# KiCad board mtt_final.kicad_pcb (continued)
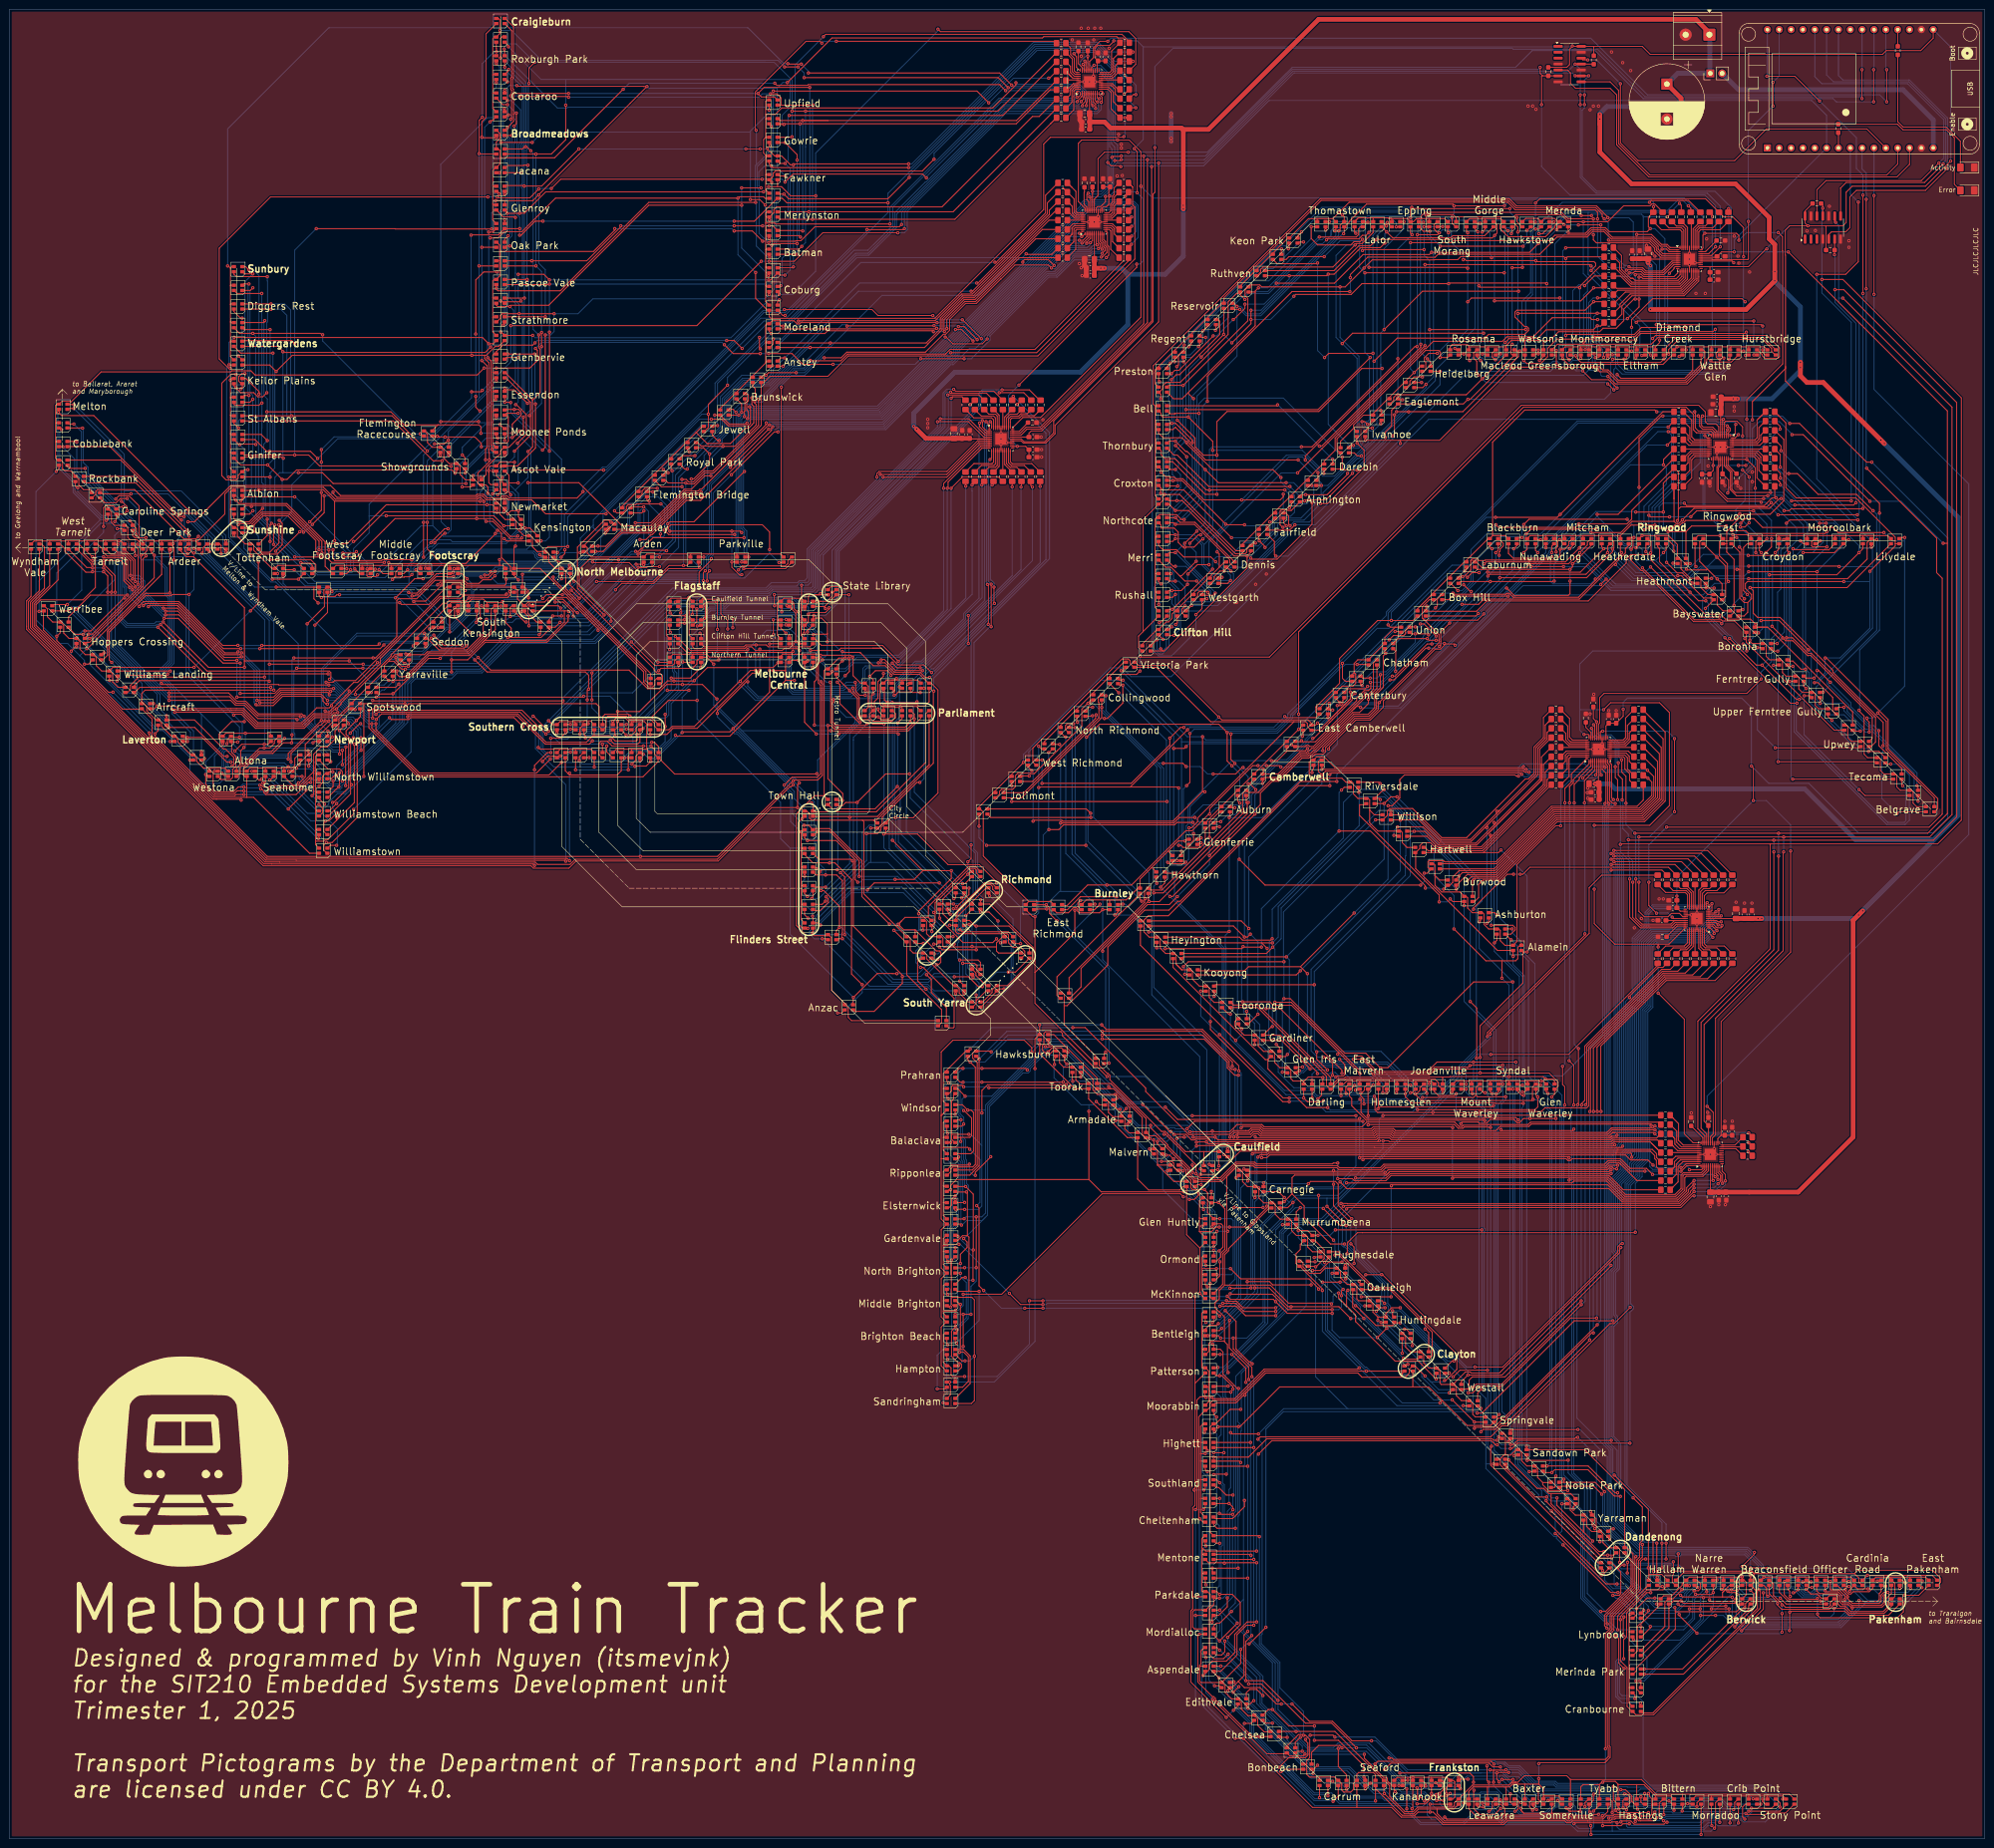
[diagram p0: board, top side]
## Placement (name value [footprint] x y rotation side) (continued)
D220  NH-B2020RGBA-HF  [LED_RGB_Foshan-2020]  321.3 346.35 0 top
D221  NH-B2020RGBA-HF  [LED_RGB_Foshan-2020]  317.3 346.35 0 top
D222  NH-B2020RGBA-HF  [LED_RGB_Foshan-2020]  313.3 346.35 0 top
D223  NH-B2020RGBA-HF  [LED_RGB_Foshan-2020]  309.3 346.35 0 top
D224  NH-B2020RGBA-HF  [LED_RGB_Foshan-2020]  305.3 346.35 0 top
D225  NH-B2020RGBA-HF  [LED_RGB_Foshan-2020]  301.3 346.35 0 top
D226  NH-B2020RGBA-HF  [LED_RGB_Foshan-2020]  297.3 346.35 0 top
D227  NH-B2020RGBA-HF  [LED_RGB_Foshan-2020]  293.3 346.35 0 top
D228  NH-B2020RGBA-HF  [LED_RGB_Foshan-2020]  289.3 346.35 0 top
D229  NH-B2020RGBA-HF  [LED_RGB_Foshan-2020]  285.3 346.35 0 top
D230  NH-B2020RGBA-HF  [LED_RGB_Foshan-2020]  281.3 346.35 0 top
D231  NH-B2020RGBA-HF  [LED_RGB_Foshan-2020]  275.3 342.85 0 top
D232  NH-B2020RGBA-HF  [LED_RGB_Foshan-2020]  271.8 339.35 0 top
D233  NH-B2020RGBA-HF  [LED_RGB_Foshan-2020]  268.3 335.85 0 top
D234  NH-B2020RGBA-HF  [LED_RGB_Foshan-2020]  264.8 332.35 0 top
D235  NH-B2020RGBA-HF  [LED_RGB_Foshan-2020]  261.3 328.85 0 top
D236  NH-B2020RGBA-HF  [LED_RGB_Foshan-2020]  257.8 325.35 0 top
D237  NH-B2020RGBA-HF  [LED_RGB_Foshan-2020]  254.3 321.85 0 top
D238  NH-B2020RGBA-HF  [LED_RGB_Foshan-2020]  250.8 318.35 0 top
D239  NH-B2020RGBA-HF  [LED_RGB_Foshan-2020]  247.3 314.85 0 top
D240  NH-B2020RGBA-HF  [LED_RGB_Foshan-2020]  247.3 310.85 0 top
D241  NH-B2020RGBA-HF  [LED_RGB_Foshan-2020]  247.3 306.85 0 top
D242  NH-B2020RGBA-HF  [LED_RGB_Foshan-2020]  247.3 302.85 0 top
D243  NH-B2020RGBA-HF  [LED_RGB_Foshan-2020]  247.3 298.85 0 top
D244  NH-B2020RGBA-HF  [LED_RGB_Foshan-2020]  247.3 294.85 0 top
D245  NH-B2020RGBA-HF  [LED_RGB_Foshan-2020]  247.3 290.85 0 top
D246  NH-B2020RGBA-HF  [LED_RGB_Foshan-2020]  247.3 286.85 0 top
D247  NH-B2020RGBA-HF  [LED_RGB_Foshan-2020]  247.3 282.85 0 top
D248  NH-B2020RGBA-HF  [LED_RGB_Foshan-2020]  247.3 278.85 0 top
D249  NH-B2020RGBA-HF  [LED_RGB_Foshan-2020]  247.3 274.85 0 top
D250  NH-B2020RGBA-HF  [LED_RGB_Foshan-2020]  247.3 270.85 0 top
D251  NH-B2020RGBA-HF  [LED_RGB_Foshan-2020]  247.3 266.85 0 top
D252  NH-B2020RGBA-HF  [LED_RGB_Foshan-2020]  247.3 262.85 0 top
D253  NH-B2020RGBA-HF  [LED_RGB_Foshan-2020]  377.8 318.85 0 top
D254  NH-B2020RGBA-HF  [LED_RGB_Foshan-2020]  373.8 318.85 0 top
D255  NH-B2020RGBA-HF  [LED_RGB_Foshan-2020]  369.8 318.85 0 top
D256  NH-B2020RGBA-HF  [LED_RGB_Foshan-2020]  365.8 318.85 0 top
D257  NH-B2020RGBA-HF  [LED_RGB_Foshan-2020]  361.8 318.85 0 top
D258  NH-B2020RGBA-HF  [LED_RGB_Foshan-2020]  357.8 318.85 0 top
D259  NH-B2020RGBA-HF  [LED_RGB_Foshan-2020]  353.8 318.85 0 top
D260  NH-B2020RGBA-HF  [LED_RGB_Foshan-2020]  349.8 318.85 0 top
D261  NH-B2020RGBA-HF  [LED_RGB_Foshan-2020]  345.8 318.85 0 top
D262  NH-B2020RGBA-HF  [LED_RGB_Foshan-2020]  341.8 318.85 0 top
D263  NH-B2020RGBA-HF  [LED_RGB_Foshan-2020]  337.8 318.85 0 top
D264  NH-B2020RGBA-HF  [LED_RGB_Foshan-2020]  333.8 318.85 0 top
D265  NH-B2020RGBA-HF  [LED_RGB_Foshan-2020]  329.8 318.85 0 top
D266  NH-B2020RGBA-HF  [LED_RGB_Foshan-2020]  325.8 318.85 0 top
D267  NH-B2020RGBA-HF  [LED_RGB_Foshan-2020]  321.8 318.85 0 top
D268  NH-B2020RGBA-HF  [LED_RGB_Foshan-2020]  317.8 318.85 0 top
D269  NH-B2020RGBA-HF  [LED_RGB_Foshan-2020]  313.8 318.85 0 top
D270  NH-B2020RGBA-HF  [LED_RGB_Foshan-2020]  309.8 318.85 0 top
D271  NH-B2020RGBA-HF  [LED_RGB_Foshan-2020]  303.8 315.35 0 top
D272  NH-B2020RGBA-HF  [LED_RGB_Foshan-2020]  300.3 311.85 0 top
D273  NH-B2020RGBA-HF  [LED_RGB_Foshan-2020]  296.8 308.35 0 top
D274  NH-B2020RGBA-HF  [LED_RGB_Foshan-2020]  293.3 304.85 0 top
D275  NH-B2020RGBA-HF  [LED_RGB_Foshan-2020]  289.8 301.35 0 top
D276  NH-B2020RGBA-HF  [LED_RGB_Foshan-2020]  286.3 297.85 0 top
D277  NH-B2020RGBA-HF  [LED_RGB_Foshan-2020]  282.8 294.35 0 top
D278  NH-B2020RGBA-HF  [LED_RGB_Foshan-2020]  279.3 290.85 0 top
D279  NH-B2020RGBA-HF  [LED_RGB_Foshan-2020]  275.8 287.35 0 top
D280  NH-B2020RGBA-HF  [LED_RGB_Foshan-2020]  272.3 283.85 0 top
D281  NH-B2020RGBA-HF  [LED_RGB_Foshan-2020]  268.8 280.35 0 top
D282  NH-B2020RGBA-HF  [LED_RGB_Foshan-2020]  265.3 276.85 0 top
D283  NH-B2020RGBA-HF  [LED_RGB_Foshan-2020]  261.8 273.35 0 top
D284  NH-B2020RGBA-HF  [LED_RGB_Foshan-2020]  258.3 269.85 0 top
D285  NH-B2020RGBA-HF  [LED_RGB_Foshan-2020]  254.8 266.35 0 top
D286  NH-B2020RGBA-HF  [LED_RGB_Foshan-2020]  251.3 262.85 0 top
D287  NH-B2020RGBA-HF  [LED_RGB_Foshan-2020]  247.3 258.85 0 top
D288  NH-B2020RGBA-HF  [LED_RGB_Foshan-2020]  243.8 255.35 0 top
D289  NH-B2020RGBA-HF  [LED_RGB_Foshan-2020]  240.3 251.85 0 top
D290  NH-B2020RGBA-HF  [LED_RGB_Foshan-2020]  236.8 248.35 0 top
D291  NH-B2020RGBA-HF  [LED_RGB_Foshan-2020]  233.3 244.85 0 top
D292  NH-B2020RGBA-HF  [LED_RGB_Foshan-2020]  229.8 241.35 0 top
D293  NH-B2020RGBA-HF  [LED_RGB_Foshan-2020]  226.3 237.85 0 top
D294  NH-B2020RGBA-HF  [LED_RGB_Foshan-2020]  222.8 234.35 0 top
D295  NH-B2020RGBA-HF  [LED_RGB_Foshan-2020]  219.3 230.85 0 top
D296  NH-B2020RGBA-HF  [LED_RGB_Foshan-2020]  215.8 227.35 0 top
D297  NH-B2020RGBA-HF  [LED_RGB_Foshan-2020]  212.3 223.85 0 top
D298  NH-B2020RGBA-HF  [LED_RGB_Foshan-2020]  208.8 220.35 0 top
D299  NH-B2020RGBA-HF  [LED_RGB_Foshan-2020]  224.8 199.85 0 top
D300  NH-B2020RGBA-HF  [LED_RGB_Foshan-2020]  218.8 199.85 0 top
D301  NH-B2020RGBA-HF  [LED_RGB_Foshan-2020]  411.8 220.85 0 top
D302  NH-B2020RGBA-HF  [LED_RGB_Foshan-2020]  408.3 224.35 0 top
D303  NH-B2020RGBA-HF  [LED_RGB_Foshan-2020]  404.8 227.85 0 top
D304  NH-B2020RGBA-HF  [LED_RGB_Foshan-2020]  401.3 231.35 0 top
D305  NH-B2020RGBA-HF  [LED_RGB_Foshan-2020]  397.8 234.85 0 top
D306  NH-B2020RGBA-HF  [LED_RGB_Foshan-2020]  394.3 238.35 0 top
D307  NH-B2020RGBA-HF  [LED_RGB_Foshan-2020]  390.8 241.85 0 top
D308  NH-B2020RGBA-HF  [LED_RGB_Foshan-2020]  387.3 245.35 0 top
D309  NH-B2020RGBA-HF  [LED_RGB_Foshan-2020]  383.8 248.85 0 top
D310  NH-B2020RGBA-HF  [LED_RGB_Foshan-2020]  380.3 252.35 0 top
D311  NH-B2020RGBA-HF  [LED_RGB_Foshan-2020]  376.8 255.85 0 top
D312  NH-B2020RGBA-HF  [LED_RGB_Foshan-2020]  373.3 259.35 0 top
D313  NH-B2020RGBA-HF  [LED_RGB_Foshan-2020]  369.8 262.85 0 top
D314  NH-B2020RGBA-HF  [LED_RGB_Foshan-2020]  366.3 266.35 0 top
D315  NH-B2020RGBA-HF  [LED_RGB_Foshan-2020]  362.8 269.85 0 top
D316  NH-B2020RGBA-HF  [LED_RGB_Foshan-2020]  358.55 274.1 0 top
D317  NH-B2020RGBA-HF  [LED_RGB_Foshan-2020]  354.3 278.35 0 top
D318  NH-B2020RGBA-HF  [LED_RGB_Foshan-2020]  350.3 278.35 0 top
D319  NH-B2020RGBA-HF  [LED_RGB_Foshan-2020]  346.3 278.35 0 top
D320  NH-B2020RGBA-HF  [LED_RGB_Foshan-2020]  342.3 278.35 0 top
D321  NH-B2020RGBA-HF  [LED_RGB_Foshan-2020]  338.3 278.35 0 top
D322  NH-B2020RGBA-HF  [LED_RGB_Foshan-2020]  334.3 278.35 0 top
D323  NH-B2020RGBA-HF  [LED_RGB_Foshan-2020]  330.3 278.35 0 top
D324  NH-B2020RGBA-HF  [LED_RGB_Foshan-2020]  326.3 278.35 0 top
D325  NH-B2020RGBA-HF  [LED_RGB_Foshan-2020]  322.3 278.35 0 top
D326  NH-B2020RGBA-HF  [LED_RGB_Foshan-2020]  318.3 278.35 0 top
D327  NH-B2020RGBA-HF  [LED_RGB_Foshan-2020]  313.3 273.35 0 top
D328  NH-B2020RGBA-HF  [LED_RGB_Foshan-2020]  309.8 269.85 0 top
D329  NH-B2020RGBA-HF  [LED_RGB_Foshan-2020]  306.3 266.35 0 top
D330  NH-B2020RGBA-HF  [LED_RGB_Foshan-2020]  302.8 262.85 0 top
D331  NH-B2020RGBA-HF  [LED_RGB_Foshan-2020]  299.3 259.35 0 top
D332  NH-B2020RGBA-HF  [LED_RGB_Foshan-2020]  295.8 255.85 0 top
D333  NH-B2020RGBA-HF  [LED_RGB_Foshan-2020]  292.3 252.35 0 top
D334  NH-B2020RGBA-HF  [LED_RGB_Foshan-2020]  288.8 248.85 0 top
D335  NH-B2020RGBA-HF  [LED_RGB_Foshan-2020]  285.3 245.35 0 top
D336  NH-B2020RGBA-HF  [LED_RGB_Foshan-2020]  281.8 241.85 0 top
D337  NH-B2020RGBA-HF  [LED_RGB_Foshan-2020]  278.3 238.35 0 top
D338  NH-B2020RGBA-HF  [LED_RGB_Foshan-2020]  274.8 234.85 0 top
D339  NH-B2020RGBA-HF  [LED_RGB_Foshan-2020]  267.8 227.85 0 top
D340  NH-B2020RGBA-HF  [LED_RGB_Foshan-2020]  264.3 224.35 0 top
D341  NH-B2020RGBA-HF  [LED_RGB_Foshan-2020]  260.8 220.85 0 top
D342  NH-B2020RGBA-HF  [LED_RGB_Foshan-2020]  257.3 217.35 0 top
D343  NH-B2020RGBA-HF  [LED_RGB_Foshan-2020]  253.8 213.85 0 top
D344  NH-B2020RGBA-HF  [LED_RGB_Foshan-2020]  250.3 210.35 0 top
D345  NH-B2020RGBA-HF  [LED_RGB_Foshan-2020]  246.8 206.85 0 top
D346  NH-B2020RGBA-HF  [LED_RGB_Foshan-2020]  243.3 203.35 0 top
D347  NH-B2020RGBA-HF  [LED_RGB_Foshan-2020]  236.8 199.85 0 top
D348  NH-B2020RGBA-HF  [LED_RGB_Foshan-2020]  230.8 199.85 0 top
D349  NH-B2020RGBA-HF  [LED_RGB_Foshan-2020]  404.3 278.35 0 top
D350  NH-B2020RGBA-HF  [LED_RGB_Foshan-2020]  398.3 278.35 0 top
D351  NH-B2020RGBA-HF  [LED_RGB_Foshan-2020]  392.3 278.35 0 top
D352  NH-B2020RGBA-HF  [LED_RGB_Foshan-2020]  386.3 278.35 0 top
D353  NH-B2020RGBA-HF  [LED_RGB_Foshan-2020]  380.3 278.35 0 top
D354  NH-B2020RGBA-HF  [LED_RGB_Foshan-2020]  374.3 278.35 0 top
D355  NH-B2020RGBA-HF  [LED_RGB_Foshan-2020]  368.3 278.35 0 top
D356  NH-B2020RGBA-HF  [LED_RGB_Foshan-2020]  362.3 278.35 0 top
D357  NH-B2020RGBA-HF  [LED_RGB_Foshan-2020]  323.3 191.1 0 top
D358  NH-B2020RGBA-HF  [LED_RGB_Foshan-2020]  319.8 194.6 0 top
D359  NH-B2020RGBA-HF  [LED_RGB_Foshan-2020]  316.3 198.1 0 top
D360  NH-B2020RGBA-HF  [LED_RGB_Foshan-2020]  312.8 201.6 0 top
D361  NH-B2020RGBA-HF  [LED_RGB_Foshan-2020]  309.3 205.1 0 top
D362  NH-B2020RGBA-HF  [LED_RGB_Foshan-2020]  305.8 208.6 0 top
D363  NH-B2020RGBA-HF  [LED_RGB_Foshan-2020]  302.3 212.1 0 top
D364  NH-B2020RGBA-HF  [LED_RGB_Foshan-2020]  298.8 215.6 0 top
D365  NH-B2020RGBA-HF  [LED_RGB_Foshan-2020]  295.3 219.1 0 top
D366  NH-B2020RGBA-HF  [LED_RGB_Foshan-2020]  291.8 222.6 0 top
D367  NH-B2020RGBA-HF  [LED_RGB_Foshan-2020]  288.3 226.1 0 top
D368  NH-B2020RGBA-HF  [LED_RGB_Foshan-2020]  280.5 230.85 0 top
D369  NH-B2020RGBA-HF  [LED_RGB_Foshan-2020]  330.4 161.35 0 top
D370  NH-B2020RGBA-HF  [LED_RGB_Foshan-2020]  326.4 161.35 0 top
D371  NH-B2020RGBA-HF  [LED_RGB_Foshan-2020]  322.4 161.35 0 top
D372  NH-B2020RGBA-HF  [LED_RGB_Foshan-2020]  318.4 161.35 0 top
D373  NH-B2020RGBA-HF  [LED_RGB_Foshan-2020]  314.4 161.35 0 top
D374  NH-B2020RGBA-HF  [LED_RGB_Foshan-2020]  310.4 161.35 0 top
D375  NH-B2020RGBA-HF  [LED_RGB_Foshan-2020]  306.4 161.35 0 top
D376  NH-B2020RGBA-HF  [LED_RGB_Foshan-2020]  302.4 161.35 0 top
D377  NH-B2020RGBA-HF  [LED_RGB_Foshan-2020]  298.4 161.35 0 top
D378  NH-B2020RGBA-HF  [LED_RGB_Foshan-2020]  294.4 161.35 0 top
D379  NH-B2020RGBA-HF  [LED_RGB_Foshan-2020]  290.4 161.35 0 top
D380  NH-B2020RGBA-HF  [LED_RGB_Foshan-2020]  286.4 161.35 0 top
D381  NH-B2020RGBA-HF  [LED_RGB_Foshan-2020]  282.4 161.35 0 top
D382  NH-B2020RGBA-HF  [LED_RGB_Foshan-2020]  278.4 161.35 0 top
D383  NH-B2020RGBA-HF  [LED_RGB_Foshan-2020]  274.9 164.85 0 top
D384  NH-B2020RGBA-HF  [LED_RGB_Foshan-2020]  271.4 168.35 0 top
D385  NH-B2020RGBA-HF  [LED_RGB_Foshan-2020]  267.9 171.85 0 top
D386  NH-B2020RGBA-HF  [LED_RGB_Foshan-2020]  264.4 175.35 0 top
D387  NH-B2020RGBA-HF  [LED_RGB_Foshan-2020]  260.9 178.85 0 top
D388  NH-B2020RGBA-HF  [LED_RGB_Foshan-2020]  257.4 182.35 0 top
D389  NH-B2020RGBA-HF  [LED_RGB_Foshan-2020]  253.9 185.85 0 top
D390  NH-B2020RGBA-HF  [LED_RGB_Foshan-2020]  250.4 189.35 0 top
D391  NH-B2020RGBA-HF  [LED_RGB_Foshan-2020]  246.9 192.85 0 top
D392  NH-B2020RGBA-HF  [LED_RGB_Foshan-2020]  243.4 196.35 0 top
D393  NH-B2020RGBA-HF  [LED_RGB_Foshan-2020]  412.4 54.9 0 top
D394  NH-B2020RGBA-HF  [LED_RGB_Foshan-2020]  408.4 54.9 0 top
D395  NH-B2020RGBA-HF  [LED_RGB_Foshan-2020]  404.4 54.9 0 top
D396  NH-B2020RGBA-HF  [LED_RGB_Foshan-2020]  400.4 54.9 0 top
D397  NH-B2020RGBA-HF  [LED_RGB_Foshan-2020]  404.4 50.9 0 top
D398  NH-B2020RGBA-HF  [LED_RGB_Foshan-2020]  390.4 50.9 0 top
D399  NH-B2020RGBA-HF  [LED_RGB_Foshan-2020]  396.4 54.9 0 top
D400  NH-B2020RGBA-HF  [LED_RGB_Foshan-2020]  392.4 54.9 0 top
D401  NH-B2020RGBA-HF  [LED_RGB_Foshan-2020]  388.4 54.9 0 top
D402  NH-B2020RGBA-HF  [LED_RGB_Foshan-2020]  384.4 54.9 0 top
D403  NH-B2020RGBA-HF  [LED_RGB_Foshan-2020]  380.4 54.9 0 top
D404  NH-B2020RGBA-HF  [LED_RGB_Foshan-2020]  376.4 54.9 0 top
D405  NH-B2020RGBA-HF  [LED_RGB_Foshan-2020]  372.4 54.9 0 top
D406  NH-B2020RGBA-HF  [LED_RGB_Foshan-2020]  368.4 54.9 0 top
D407  NH-B2020RGBA-HF  [LED_RGB_Foshan-2020]  372.4 50.9 0 top
D408  NH-B2020RGBA-HF  [LED_RGB_Foshan-2020]  354.9 50.9 0 top
D409  NH-B2020RGBA-HF  [LED_RGB_Foshan-2020]  364.4 54.9 0 top
D410  NH-B2020RGBA-HF  [LED_RGB_Foshan-2020]  360.4 54.9 0 top
D411  NH-B2020RGBA-HF  [LED_RGB_Foshan-2020]  348.9 27.85 0 top
D412  NH-B2020RGBA-HF  [LED_RGB_Foshan-2020]  348.9 31.85 0 top
D413  NH-B2020RGBA-HF  [LED_RGB_Foshan-2020]  348.9 35.85 0 top
D414  NH-B2020RGBA-HF  [LED_RGB_Foshan-2020]  348.9 39.85 0 top
D415  NH-B2020RGBA-HF  [LED_RGB_Foshan-2020]  348.9 43.85 0 top
D416  NH-B2020RGBA-HF  [LED_RGB_Foshan-2020]  348.9 47.85 0 top
D417  NH-B2020RGBA-HF  [LED_RGB_Foshan-2020]  356.4 54.9 0 top
D418  NH-B2020RGBA-HF  [LED_RGB_Foshan-2020]  352.4 54.9 0 top
D419  NH-B2020RGBA-HF  [LED_RGB_Foshan-2020]  345.4 61.9 0 top
D420  NH-B2020RGBA-HF  [LED_RGB_Foshan-2020]  341.9 65.4 0 top
D421  NH-B2020RGBA-HF  [LED_RGB_Foshan-2020]  338.4 68.9 0 top
D422  NH-B2020RGBA-HF  [LED_RGB_Foshan-2020]  334.9 72.4 0 top
D423  NH-B2020RGBA-HF  [LED_RGB_Foshan-2020]  331.4 75.9 0 top
D424  NH-B2020RGBA-HF  [LED_RGB_Foshan-2020]  327.9 79.4 0 top
D425  NH-B2020RGBA-HF  [LED_RGB_Foshan-2020]  324.4 82.9 0 top
D426  NH-B2020RGBA-HF  [LED_RGB_Foshan-2020]  320.9 86.4 0 top
D427  NH-B2020RGBA-HF  [LED_RGB_Foshan-2020]  342.15 58.65 0 top
D428  NH-B2020RGBA-HF  [LED_RGB_Foshan-2020]  319.8 80.85 0 top
D429  NH-B2020RGBA-HF  [LED_RGB_Foshan-2020]  260.3 146.85 0 top
D430  NH-B2020RGBA-HF  [LED_RGB_Foshan-2020]  226.3 180.85 0 top
D431  NH-B2020RGBA-HF  [LED_RGB_Foshan-2020]  257 143.85 0 top
D432  NH-B2020RGBA-HF  [LED_RGB_Foshan-2020]  233.8 166.85 0 top
D433  NH-B2020RGBA-HF  [LED_RGB_Foshan-2020]  317.4 89.9 0 top
D434  NH-B2020RGBA-HF  [LED_RGB_Foshan-2020]  313.9 93.4 0 top
D435  NH-B2020RGBA-HF  [LED_RGB_Foshan-2020]  310.4 96.9 0 top
D436  NH-B2020RGBA-HF  [LED_RGB_Foshan-2020]  306.9 100.4 0 top
D437  NH-B2020RGBA-HF  [LED_RGB_Foshan-2020]  303.4 103.9 0 top
D438  NH-B2020RGBA-HF  [LED_RGB_Foshan-2020]  299.5 107.85 0 top
D439  NH-B2020RGBA-HF  [LED_RGB_Foshan-2020]  300 100.85 0 top
D440  NH-B2020RGBA-HF  [LED_RGB_Foshan-2020]  277.5 123.35 0 top
D441  NH-B2020RGBA-HF  [LED_RGB_Foshan-2020]  296 111.35 0 top
D442  NH-B2020RGBA-HF  [LED_RGB_Foshan-2020]  292.5 114.85 0 top
D443  NH-B2020RGBA-HF  [LED_RGB_Foshan-2020]  289 118.35 0 top
D444  NH-B2020RGBA-HF  [LED_RGB_Foshan-2020]  285.5 121.85 0 top
D445  NH-B2020RGBA-HF  [LED_RGB_Foshan-2020]  282 125.35 0 top
D446  NH-B2020RGBA-HF  [LED_RGB_Foshan-2020]  278.5 128.85 0 top
D447  NH-B2020RGBA-HF  [LED_RGB_Foshan-2020]  275 132.35 0 top
D448  NH-B2020RGBA-HF  [LED_RGB_Foshan-2020]  271.5 135.85 0 top
D449  NH-B2020RGBA-HF  [LED_RGB_Foshan-2020]  268 139.35 0 top
D450  NH-B2020RGBA-HF  [LED_RGB_Foshan-2020]  264.5 142.85 0 top
D451  NH-B2020RGBA-HF  [LED_RGB_Foshan-2020]  381.8 7.95 0 top
D452  NH-B2020RGBA-HF  [LED_RGB_Foshan-2020]  377.8 7.95 0 top
D453  NH-B2020RGBA-HF  [LED_RGB_Foshan-2020]  373.8 7.95 0 top
D454  NH-B2020RGBA-HF  [LED_RGB_Foshan-2020]  369.8 7.95 0 top
D455  NH-B2020RGBA-HF  [LED_RGB_Foshan-2020]  365.8 7.95 0 top
D456  NH-B2020RGBA-HF  [LED_RGB_Foshan-2020]  361.8 7.95 0 top
D457  NH-B2020RGBA-HF  [LED_RGB_Foshan-2020]  357.8 7.95 0 top
D458  NH-B2020RGBA-HF  [LED_RGB_Foshan-2020]  353.8 7.95 0 top
D459  NH-B2020RGBA-HF  [LED_RGB_Foshan-2020]  349.8 7.95 0 top
D460  NH-B2020RGBA-HF  [LED_RGB_Foshan-2020]  345.8 7.95 0 top
D461  NH-B2020RGBA-HF  [LED_RGB_Foshan-2020]  341.8 7.95 0 top
D462  NH-B2020RGBA-HF  [LED_RGB_Foshan-2020]  337.8 7.95 0 top
D463  NH-B2020RGBA-HF  [LED_RGB_Foshan-2020]  333.8 7.95 0 top
D464  NH-B2020RGBA-HF  [LED_RGB_Foshan-2020]  329.8 7.95 0 top
D465  NH-B2020RGBA-HF  [LED_RGB_Foshan-2020]  325.8 7.95 0 top
D466  NH-B2020RGBA-HF  [LED_RGB_Foshan-2020]  321.8 7.95 0 top
D467  NH-B2020RGBA-HF  [LED_RGB_Foshan-2020]  317.8 7.95 0 top
D468  NH-B2020RGBA-HF  [LED_RGB_Foshan-2020]  313.8 7.95 0 top
D469  NH-B2020RGBA-HF  [LED_RGB_Foshan-2020]  309.8 7.95 0 top
D471  NH-B2020RGBA-HF  [LED_RGB_Foshan-2020]  309.8 11.95 0 top
D472  NH-B2020RGBA-HF  [LED_RGB_Foshan-2020]  305.8 11.95 0 top
D473  NH-B2020RGBA-HF  [LED_RGB_Foshan-2020]  301.8 11.95 0 top
D474  NH-B2020RGBA-HF  [LED_RGB_Foshan-2020]  297.8 11.95 0 top
D475  NH-B2020RGBA-HF  [LED_RGB_Foshan-2020]  293.8 11.95 0 top
D476  NH-B2020RGBA-HF  [LED_RGB_Foshan-2020]  289.8 11.95 0 top
D477  NH-B2020RGBA-HF  [LED_RGB_Foshan-2020]  285.8 11.95 0 top
D478  NH-B2020RGBA-HF  [LED_RGB_Foshan-2020]  281.8 11.95 0 top
D479  NH-B2020RGBA-HF  [LED_RGB_Foshan-2020]  278.3 15.45 0 top
D480  NH-B2020RGBA-HF  [LED_RGB_Foshan-2020]  274.8 18.95 0 top
D481  NH-B2020RGBA-HF  [LED_RGB_Foshan-2020]  271.3 22.45 0 top
D482  NH-B2020RGBA-HF  [LED_RGB_Foshan-2020]  267.8 25.95 0 top
D483  NH-B2020RGBA-HF  [LED_RGB_Foshan-2020]  264.3 29.45 0 top
D484  NH-B2020RGBA-HF  [LED_RGB_Foshan-2020]  260.8 32.95 0 top
D485  NH-B2020RGBA-HF  [LED_RGB_Foshan-2020]  257.3 36.45 0 top
D486  NH-B2020RGBA-HF  [LED_RGB_Foshan-2020]  257.3 40.45 0 top
D487  NH-B2020RGBA-HF  [LED_RGB_Foshan-2020]  257.3 44.45 0 top
D488  NH-B2020RGBA-HF  [LED_RGB_Foshan-2020]  257.3 48.45 0 top
D489  NH-B2020RGBA-HF  [LED_RGB_Foshan-2020]  257.3 52.45 0 top
D490  NH-B2020RGBA-HF  [LED_RGB_Foshan-2020]  257.3 56.45 0 top
D491  NH-B2020RGBA-HF  [LED_RGB_Foshan-2020]  257.3 60.45 0 top
D492  NH-B2020RGBA-HF  [LED_RGB_Foshan-2020]  257.3 64.45 0 top
D493  NH-B2020RGBA-HF  [LED_RGB_Foshan-2020]  257.3 68.45 0 top
D494  NH-B2020RGBA-HF  [LED_RGB_Foshan-2020]  257.3 72.45 0 top
D495  NH-B2020RGBA-HF  [LED_RGB_Foshan-2020]  257.3 76.45 0 top
D496  NH-B2020RGBA-HF  [LED_RGB_Foshan-2020]  257.3 80.45 0 top
D497  NH-B2020RGBA-HF  [LED_RGB_Foshan-2020]  257.3 84.45 0 top
D498  NH-B2020RGBA-HF  [LED_RGB_Foshan-2020]  257.3 88.45 0 top
D499  NH-B2020RGBA-HF  [LED_RGB_Foshan-2020]  257.3 92.45 0 top
D500  NH-B2020RGBA-HF  [LED_RGB_Foshan-2020]  257.3 96.45 0 top
D501  NH-B2020RGBA-HF  [LED_RGB_Foshan-2020]  257.3 100.45 0 top
D502  NH-B2020RGBA-HF  [LED_RGB_Foshan-2020]  257.3 104.45 0 top
D503  NH-B2020RGBA-HF  [LED_RGB_Foshan-2020]  257.3 108.45 0 top
D504  NH-B2020RGBA-HF  [LED_RGB_Foshan-2020]  257.3 112.45 0 top
D505  NH-B2020RGBA-HF  [LED_RGB_Foshan-2020]  257.3 116.45 0 top
D506  NH-B2020RGBA-HF  [LED_RGB_Foshan-2020]  257.3 120.45 0 top
D507  NH-B2020RGBA-HF  [LED_RGB_Foshan-2020]  257.3 124.45 0 top
D508  LED  [LED_1206_3216Metric_Pad1.42x1.75mm_HandSolder]  419.79 358.51 180 top
D509  LED  [LED_1206_3216Metric_Pad1.42x1.75mm_HandSolder]  419.79 353.61 180 top
D511  NH-B2020RGBA-HF  [LED_RGB_Foshan-2020]  257.3 128.45 0 top
D512  NH-B2020RGBA-HF  [LED_RGB_Foshan-2020]  257.3 132.45 0 top
D513  NH-B2020RGBA-HF  [LED_RGB_Foshan-2020]  256.8 136.95 0 top
D514  NH-B2020RGBA-HF  [LED_RGB_Foshan-2020]  206.4 168.4 0 top
D515  NH-B2020RGBA-HF  [LED_RGB_Foshan-2020]  201.9 142.9 0 top
D517  NH-B2020RGBA-HF  [LED_RGB_Foshan-2020]  253.3 140.45 0 top
D518  NH-B2020RGBA-HF  [LED_RGB_Foshan-2020]  249.8 143.95 0 top
D519  NH-B2020RGBA-HF  [LED_RGB_Foshan-2020]  246.3 147.45 0 top
D523  NH-B2020RGBA-HF  [LED_RGB_Foshan-2020]  242.8 150.95 0 top
D524  NH-B2020RGBA-HF  [LED_RGB_Foshan-2020]  239.3 154.45 0 top
D525  NH-B2020RGBA-HF  [LED_RGB_Foshan-2020]  235.8 157.95 0 top
D529  NH-B2020RGBA-HF  [LED_RGB_Foshan-2020]  232.3 161.45 0 top
D530  NH-B2020RGBA-HF  [LED_RGB_Foshan-2020]  228.8 164.95 0 top
D531  NH-B2020RGBA-HF  [LED_RGB_Foshan-2020]  225.3 168.45 0 top
D535  NH-B2020RGBA-HF  [LED_RGB_Foshan-2020]  221.8 171.95 0 top
D536  NH-B2020RGBA-HF  [LED_RGB_Foshan-2020]  201.9 93.9 0 top
D537  NH-B2020RGBA-HF  [LED_RGB_Foshan-2020]  201.9 97.4 0 top
D541  NH-B2020RGBA-HF  [LED_RGB_Foshan-2020]  201.9 100.9 0 top
D542  NH-B2020RGBA-HF  [LED_RGB_Foshan-2020]  201.9 104.4 0 top
D543  NH-B2020RGBA-HF  [LED_RGB_Foshan-2020]  201.9 107.9 0 top
D547  NH-B2020RGBA-HF  [LED_RGB_Foshan-2020]  201.9 111.4 0 top
D548  NH-B2020RGBA-HF  [LED_RGB_Foshan-2020]  201.9 114.9 0 top
D549  NH-B2020RGBA-HF  [LED_RGB_Foshan-2020]  201.9 118.4 0 top
D553  NH-B2020RGBA-HF  [LED_RGB_Foshan-2020]  201.9 121.9 0 top
D554  NH-B2020RGBA-HF  [LED_RGB_Foshan-2020]  201.9 125.4 0 top
D555  NH-B2020RGBA-HF  [LED_RGB_Foshan-2020]  201.9 128.9 0 top
D559  NH-B2020RGBA-HF  [LED_RGB_Foshan-2020]  201.9 132.4 0 top
D560  NH-B2020RGBA-HF  [LED_RGB_Foshan-2020]  201.9 135.9 0 top
D561  NH-B2020RGBA-HF  [LED_RGB_Foshan-2020]  201.9 139.4 0 top
D565  NH-B2020RGBA-HF  [LED_RGB_Foshan-2020]  201.9 146.4 0 top
D566  NH-B2020RGBA-HF  [LED_RGB_Foshan-2020]  201.9 149.9 0 top
D567  NH-B2020RGBA-HF  [LED_RGB_Foshan-2020]  201.9 153.4 0 top
D571  NH-B2020RGBA-HF  [LED_RGB_Foshan-2020]  201.9 156.9 0 top
D572  NH-B2020RGBA-HF  [LED_RGB_Foshan-2020]  201.9 160.4 0 top
D573  NH-B2020RGBA-HF  [LED_RGB_Foshan-2020]  201.9 163.9 0 top
G***  -  [LOGO]  37.3 80.9 0 top
J1  Screw_Terminal_01x02  [TerminalBlock_Phoenix_MKDS-1,5-2-5.08_1x02_P5.08mm_Horizontal]  364.48 387.01 180 top
JP1  Jumper_2_Bridged  [PinHeader_1x02_P2.54mm_Vertical]  364.67 378.71 90 top
R1  10k  [R_0603_1608Metric_Pad0.98x0.95mm_HandSolder]  229.2 384.4 270 top
R2  47R  [R_0805_2012Metric_Pad1.20x1.40mm_HandSolder]  225.51 369.19 180 top
R3  30R  [R_0805_2012Metric_Pad1.20x1.40mm_HandSolder]  225.51 371.19 180 top
R4  30R  [R_0805_2012Metric_Pad1.20x1.40mm_HandSolder]  225.51 373.19 180 top
R5  47R  [R_0805_2012Metric_Pad1.20x1.40mm_HandSolder]  225.51 375.19 180 top
R6  30R  [R_0805_2012Metric_Pad1.20x1.40mm_HandSolder]  225.51 377.19 180 top
R7  30R  [R_0805_2012Metric_Pad1.20x1.40mm_HandSolder]  225.51 379.19 180 top
R8  47R  [R_0805_2012Metric_Pad1.20x1.40mm_HandSolder]  225.51 381.19 180 top
R9  30R  [R_0805_2012Metric_Pad1.20x1.40mm_HandSolder]  225.51 383.19 180 top
R10  30R  [R_0805_2012Metric_Pad1.20x1.40mm_HandSolder]  225.51 385.19 180 top
R11  47R  [R_0805_2012Metric_Pad1.20x1.40mm_HandSolder]  239.11 385.29 0 top
R12  30R  [R_0805_2012Metric_Pad1.20x1.40mm_HandSolder]  239.11 383.29 0 top
R13  30R  [R_0805_2012Metric_Pad1.20x1.40mm_HandSolder]  239.11 381.29 0 top
R14  47R  [R_0805_2012Metric_Pad1.20x1.40mm_HandSolder]  239.11 379.29 0 top
R15  30R  [R_0805_2012Metric_Pad1.20x1.40mm_HandSolder]  239.11 377.29 0 top
R16  30R  [R_0805_2012Metric_Pad1.20x1.40mm_HandSolder]  239.11 375.29 0 top
R17  47R  [R_0805_2012Metric_Pad1.20x1.40mm_HandSolder]  239.11 373.29 0 top
R18  30R  [R_0805_2012Metric_Pad1.20x1.40mm_HandSolder]  239.11 371.24 0 top
R19  30R  [R_0805_2012Metric_Pad1.20x1.40mm_HandSolder]  239.11 369.19 0 top
R20  10k  [R_0603_1608Metric_Pad0.98x0.95mm_HandSolder]  230.5 355.2 270 top
R21  47R  [R_0805_2012Metric_Pad1.20x1.40mm_HandSolder]  225.83 339.17 180 top
R22  30R  [R_0805_2012Metric_Pad1.20x1.40mm_HandSolder]  225.83 341.22 180 top
R23  30R  [R_0805_2012Metric_Pad1.20x1.40mm_HandSolder]  225.83 343.22 180 top
R24  47R  [R_0805_2012Metric_Pad1.20x1.40mm_HandSolder]  225.83 345.22 180 top
R25  30R  [R_0805_2012Metric_Pad1.20x1.40mm_HandSolder]  225.83 347.22 180 top
R26  30R  [R_0805_2012Metric_Pad1.20x1.40mm_HandSolder]  225.83 349.22 180 top
R27  47R  [R_0805_2012Metric_Pad1.20x1.40mm_HandSolder]  225.83 351.22 180 top
R28  30R  [R_0805_2012Metric_Pad1.20x1.40mm_HandSolder]  225.83 353.22 180 top
R29  30R  [R_0805_2012Metric_Pad1.20x1.40mm_HandSolder]  225.83 355.22 180 top
R30  47R  [R_0805_2012Metric_Pad1.20x1.40mm_HandSolder]  238.93 355.22 0 top
R31  30R  [R_0805_2012Metric_Pad1.20x1.40mm_HandSolder]  238.93 353.22 0 top
R32  30R  [R_0805_2012Metric_Pad1.20x1.40mm_HandSolder]  238.93 351.22 0 top
R33  47R  [R_0805_2012Metric_Pad1.20x1.40mm_HandSolder]  238.93 349.22 0 top
R34  30R  [R_0805_2012Metric_Pad1.20x1.40mm_HandSolder]  238.93 347.22 0 top
R35  30R  [R_0805_2012Metric_Pad1.20x1.40mm_HandSolder]  238.93 345.22 0 top
R36  47R  [R_0805_2012Metric_Pad1.20x1.40mm_HandSolder]  238.93 343.22 0 top
R37  30R  [R_0805_2012Metric_Pad1.20x1.40mm_HandSolder]  238.93 341.22 0 top
R38  30R  [R_0805_2012Metric_Pad1.20x1.40mm_HandSolder]  238.93 339.17 0 top
R39  10k  [R_0603_1608Metric_Pad0.98x0.95mm_HandSolder]  219.31 303.79 180 top
R40  47R  [R_0805_2012Metric_Pad1.20x1.40mm_HandSolder]  205 307.59 90 top
R41  30R  [R_0805_2012Metric_Pad1.20x1.40mm_HandSolder]  207 307.59 90 top
R42  30R  [R_0805_2012Metric_Pad1.20x1.40mm_HandSolder]  209 307.59 90 top
R43  47R  [R_0805_2012Metric_Pad1.20x1.40mm_HandSolder]  211 307.59 90 top
R44  30R  [R_0805_2012Metric_Pad1.20x1.40mm_HandSolder]  213 307.59 90 top
R45  30R  [R_0805_2012Metric_Pad1.20x1.40mm_HandSolder]  215 307.59 90 top
R46  47R  [R_0805_2012Metric_Pad1.20x1.40mm_HandSolder]  217.05 307.59 90 top
R47  30R  [R_0805_2012Metric_Pad1.20x1.40mm_HandSolder]  219.1 307.59 90 top
R48  30R  [R_0805_2012Metric_Pad1.20x1.40mm_HandSolder]  221.1 307.59 90 top
R49  47R  [R_0805_2012Metric_Pad1.20x1.40mm_HandSolder]  221 292.19 270 top
R50  30R  [R_0805_2012Metric_Pad1.20x1.40mm_HandSolder]  219 292.19 270 top
R51  30R  [R_0805_2012Metric_Pad1.20x1.40mm_HandSolder]  217 292.19 270 top
R52  47R  [R_0805_2012Metric_Pad1.20x1.40mm_HandSolder]  215 292.19 270 top
R53  30R  [R_0805_2012Metric_Pad1.20x1.40mm_HandSolder]  213 292.19 270 top
R54  30R  [R_0805_2012Metric_Pad1.20x1.40mm_HandSolder]  211 292.19 270 top
R55  47R  [R_0805_2012Metric_Pad1.20x1.40mm_HandSolder]  209 292.19 270 top
R56  30R  [R_0805_2012Metric_Pad1.20x1.40mm_HandSolder]  207 292.19 270 top
R57  30R  [R_0805_2012Metric_Pad1.20x1.40mm_HandSolder]  205 292.19 270 top
R58  10k  [R_0603_1608Metric_Pad0.98x0.95mm_HandSolder]  366.93 342.85 180 top
R59  47R  [R_0805_2012Metric_Pad1.20x1.40mm_HandSolder]  352.45 347.92 90 top
R60  30R  [R_0805_2012Metric_Pad1.20x1.40mm_HandSolder]  354.45 347.92 90 top
R61  30R  [R_0805_2012Metric_Pad1.20x1.40mm_HandSolder]  356.45 347.92 90 top
R62  47R  [R_0805_2012Metric_Pad1.20x1.40mm_HandSolder]  358.45 347.92 90 top
R63  30R  [R_0805_2012Metric_Pad1.20x1.40mm_HandSolder]  360.5 347.92 90 top
R64  30R  [R_0805_2012Metric_Pad1.20x1.40mm_HandSolder]  362.55 347.92 90 top
R65  47R  [R_0805_2012Metric_Pad1.20x1.40mm_HandSolder]  364.55 347.92 90 top
R66  30R  [R_0805_2012Metric_Pad1.20x1.40mm_HandSolder]  366.55 347.92 90 top
R67  30R  [R_0805_2012Metric_Pad1.20x1.40mm_HandSolder]  368.55 347.92 90 top
R68  47R  [R_0805_2012Metric_Pad1.20x1.40mm_HandSolder]  342.92 325.25 180 top
R69  30R  [R_0805_2012Metric_Pad1.20x1.40mm_HandSolder]  342.92 327.25 180 top
R70  30R  [R_0805_2012Metric_Pad1.20x1.40mm_HandSolder]  342.92 329.25 180 top
R71  47R  [R_0805_2012Metric_Pad1.20x1.40mm_HandSolder]  342.92 331.25 180 top
R72  30R  [R_0805_2012Metric_Pad1.20x1.40mm_HandSolder]  342.92 333.25 180 top
R73  30R  [R_0805_2012Metric_Pad1.20x1.40mm_HandSolder]  342.92 335.25 180 top
R74  47R  [R_0805_2012Metric_Pad1.20x1.40mm_HandSolder]  342.92 337.3 180 top
R75  30R  [R_0805_2012Metric_Pad1.20x1.40mm_HandSolder]  342.92 339.35 180 top
R76  30R  [R_0805_2012Metric_Pad1.20x1.40mm_HandSolder]  342.92 341.35 180 top
R77  10k  [R_0603_1608Metric_Pad0.98x0.95mm_HandSolder]  370.29 291.91 90 top
R78  47R  [R_0805_2012Metric_Pad1.20x1.40mm_HandSolder]  377.49 306.12 0 top
R79  30R  [R_0805_2012Metric_Pad1.20x1.40mm_HandSolder]  377.49 304.12 0 top
R80  30R  [R_0805_2012Metric_Pad1.20x1.40mm_HandSolder]  377.49 302.12 0 top
R81  47R  [R_0805_2012Metric_Pad1.20x1.40mm_HandSolder]  377.49 300.12 0 top
R82  30R  [R_0805_2012Metric_Pad1.20x1.40mm_HandSolder]  377.49 298.12 0 top
R83  30R  [R_0805_2012Metric_Pad1.20x1.40mm_HandSolder]  377.49 296.12 0 top
R84  47R  [R_0805_2012Metric_Pad1.20x1.40mm_HandSolder]  377.49 294.12 0 top
R85  30R  [R_0805_2012Metric_Pad1.20x1.40mm_HandSolder]  377.49 292.12 0 top
R86  30R  [R_0805_2012Metric_Pad1.20x1.40mm_HandSolder]  377.49 290.12 0 top
R87  47R  [R_0805_2012Metric_Pad1.20x1.40mm_HandSolder]  357.89 290.12 180 top
R88  30R  [R_0805_2012Metric_Pad1.20x1.40mm_HandSolder]  357.89 292.12 180 top
R89  30R  [R_0805_2012Metric_Pad1.20x1.40mm_HandSolder]  357.89 294.12 180 top
R90  47R  [R_0805_2012Metric_Pad1.20x1.40mm_HandSolder]  357.89 296.12 180 top
R91  30R  [R_0805_2012Metric_Pad1.20x1.40mm_HandSolder]  357.89 298.12 180 top
R92  30R  [R_0805_2012Metric_Pad1.20x1.40mm_HandSolder]  357.89 300.12 180 top
R93  47R  [R_0805_2012Metric_Pad1.20x1.40mm_HandSolder]  357.89 302.12 180 top
R94  30R  [R_0805_2012Metric_Pad1.20x1.40mm_HandSolder]  357.89 304.12 180 top
R95  30R  [R_0805_2012Metric_Pad1.20x1.40mm_HandSolder]  357.89 306.12 180 top
R96  10k  [R_0603_1608Metric_Pad0.98x0.95mm_HandSolder]  338 240.4 270 top
R97  47R  [R_0805_2012Metric_Pad1.20x1.40mm_HandSolder]  331.6 226.11 180 top
R98  30R  [R_0805_2012Metric_Pad1.20x1.40mm_HandSolder]  331.6 228.11 180 top
R99  30R  [R_0805_2012Metric_Pad1.20x1.40mm_HandSolder]  331.6 230.11 180 top
R100  47R  [R_0805_2012Metric_Pad1.20x1.40mm_HandSolder]  331.6 232.11 180 top
R101  30R  [R_0805_2012Metric_Pad1.20x1.40mm_HandSolder]  331.6 234.16 180 top
R102  30R  [R_0805_2012Metric_Pad1.20x1.40mm_HandSolder]  331.6 236.21 180 top
R103  47R  [R_0805_2012Metric_Pad1.20x1.40mm_HandSolder]  331.6 238.21 180 top
R104  30R  [R_0805_2012Metric_Pad1.20x1.40mm_HandSolder]  331.6 240.21 180 top
R105  30R  [R_0805_2012Metric_Pad1.20x1.40mm_HandSolder]  331.6 242.21 180 top
R106  47R  [R_0805_2012Metric_Pad1.20x1.40mm_HandSolder]  349.3 242.21 0 top
R107  30R  [R_0805_2012Metric_Pad1.20x1.40mm_HandSolder]  349.3 240.21 0 top
R108  30R  [R_0805_2012Metric_Pad1.20x1.40mm_HandSolder]  349.3 238.21 0 top
R109  47R  [R_0805_2012Metric_Pad1.20x1.40mm_HandSolder]  349.3 236.21 0 top
R110  30R  [R_0805_2012Metric_Pad1.20x1.40mm_HandSolder]  349.3 234.16 0 top
R111  30R  [R_0805_2012Metric_Pad1.20x1.40mm_HandSolder]  349.3 232.11 0 top
R112  47R  [R_0805_2012Metric_Pad1.20x1.40mm_HandSolder]  349.3 230.11 0 top
R113  30R  [R_0805_2012Metric_Pad1.20x1.40mm_HandSolder]  349.3 228.11 0 top
R114  30R  [R_0805_2012Metric_Pad1.20x1.40mm_HandSolder]  349.3 226.11 0 top
R115  10k  [R_0603_1608Metric_Pad0.98x0.95mm_HandSolder]  354.39 193.5 0 top
R116  47R  [R_0805_2012Metric_Pad1.20x1.40mm_HandSolder]  369.4 188.8 270 top
R117  30R  [R_0805_2012Metric_Pad1.20x1.40mm_HandSolder]  367.4 188.8 270 top
R118  30R  [R_0805_2012Metric_Pad1.20x1.40mm_HandSolder]  365.4 188.8 270 top
R119  47R  [R_0805_2012Metric_Pad1.20x1.40mm_HandSolder]  363.4 188.8 270 top
R120  30R  [R_0805_2012Metric_Pad1.20x1.40mm_HandSolder]  361.4 188.8 270 top
R121  30R  [R_0805_2012Metric_Pad1.20x1.40mm_HandSolder]  359.4 188.8 270 top
R122  47R  [R_0805_2012Metric_Pad1.20x1.40mm_HandSolder]  357.4 188.8 270 top
R123  30R  [R_0805_2012Metric_Pad1.20x1.40mm_HandSolder]  355.4 188.8 270 top
R124  30R  [R_0805_2012Metric_Pad1.20x1.40mm_HandSolder]  353.4 188.8 270 top
R125  47R  [R_0805_2012Metric_Pad1.20x1.40mm_HandSolder]  353.4 205.7 90 top
R126  30R  [R_0805_2012Metric_Pad1.20x1.40mm_HandSolder]  355.4 205.7 90 top
R127  30R  [R_0805_2012Metric_Pad1.20x1.40mm_HandSolder]  357.4 205.7 90 top
R128  47R  [R_0805_2012Metric_Pad1.20x1.40mm_HandSolder]  359.4 205.7 90 top
R129  30R  [R_0805_2012Metric_Pad1.20x1.40mm_HandSolder]  361.4 205.7 90 top
R130  30R  [R_0805_2012Metric_Pad1.20x1.40mm_HandSolder]  363.4 205.7 90 top
R131  47R  [R_0805_2012Metric_Pad1.20x1.40mm_HandSolder]  365.4 205.7 90 top
R132  30R  [R_0805_2012Metric_Pad1.20x1.40mm_HandSolder]  367.4 205.7 90 top
R133  30R  [R_0805_2012Metric_Pad1.20x1.40mm_HandSolder]  369.4 205.7 90 top
R134  10k  [R_0603_1608Metric_Pad0.98x0.95mm_HandSolder]  360.57 153.81 270 top
R135  47R  [R_0805_2012Metric_Pad1.20x1.40mm_HandSolder]  355.07 139.2 180 top
R136  30R  [R_0805_2012Metric_Pad1.20x1.40mm_HandSolder]  355.07 141.2 180 top
